# Altium PCB PCB_3U_DDS.PcbDoc (part 10 of 12)
Units mil, origin at the board's own origin, x right, y up, seen from the top; angles counter-clockwise.
Board outline 6338.37 x 3937 mil, 6 copper layers (L1, P2, L3, L4, P5, L6), stack 64.885 mil thick; 954 components, 537 nets, 3358 pads, 2342 vias.
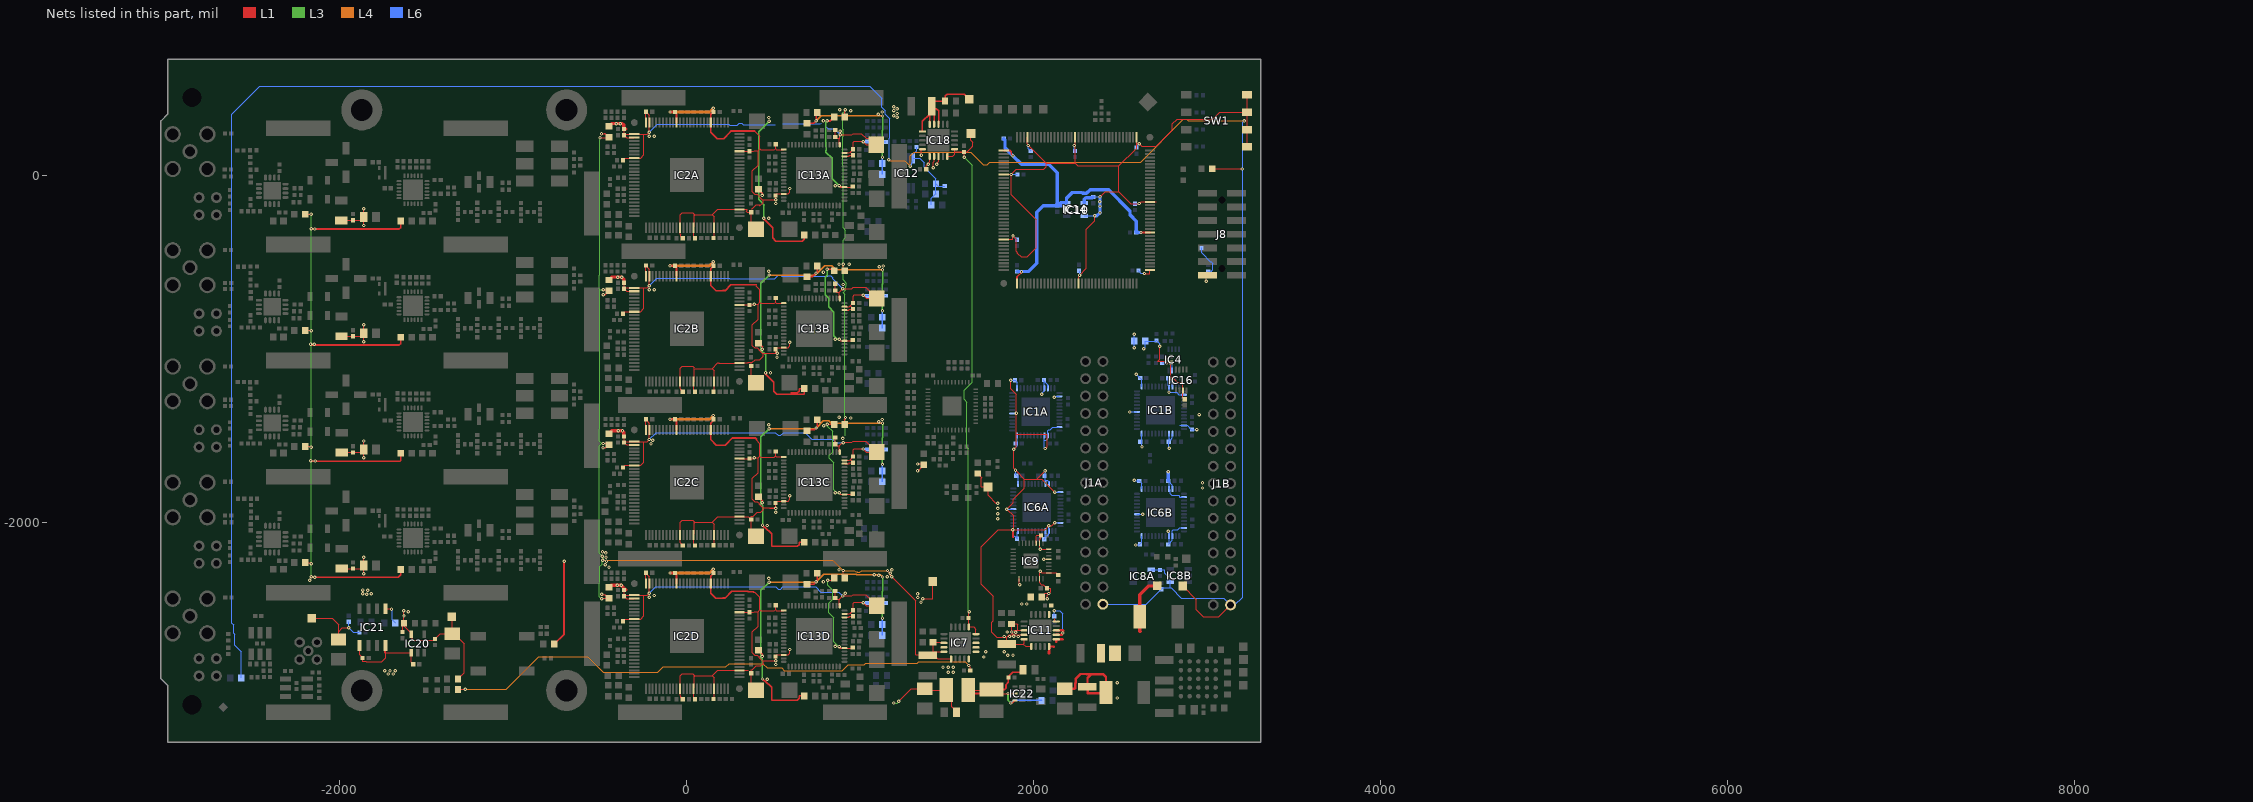
[diagram p14: the nets of this part, all layers, seen from the top]

## Via types
v1: diameter 19.68, hole 7.87, L1 to L6, tented both sides, 2254 vias
v2: diameter 23.62, hole 11.81, L1 to L6, tented both sides, 88 vias

## Nets (pads, with @x,y where several pads share a name; then routed paths per layer and width w, separated by ;. In a path a pad name is that pad's centre, name@x,y a point inside that pad or via, vN(x,y) a via of type N, cw(c..) or ccw(c..) an arc to the next point about the centre after c; other vN are vias at no path point) (continued)
P1V8A: C169.2 IC18.1 IC18.18 IC18.19 IC18.20 L16A.2 L16B.2 L16C.2 L16D.2 L17A.2 L17B.2 L17C.2 L17D.2 L19A.2 L19B.2 L19C.2 L19D.2 L20A.2 L20B.2 L20C.2 L20D.2 L21A.2 L21B.2 L21C.2 L21D.2 L22A.2 L22B.2 L22C.2 L22D.2 R129.2 TP10.1 | length 8942.9
  L1 w8: L17D.2@411.86,-2738.98 413.36,-2740.48 437.87,-2764.99 ; L17C.2@413.86,-1854.15 438.13,-1878.42 ; L17B.2@413.86,-968.32 438.13,-992.59 ; L17A.2@413.86,-82.5 438.13,-106.76 ; 432.87,-1873.79 434.86,-1875.77 v1(434.86,-1888.65) ; v1(435.86,-2904.48) 445.58,-2914.2 449.8,-2914.2 488.86,-2953.27 488.86,-3026.48 637.59,-3026.48 647.57,-3016.5 647.57,-3002.09 ; v1(435.86,-2018.65) 445.58,-2028.38 449.8,-2028.38 488.86,-2067.44 488.86,-2140.65 637.59,-2140.65 647.57,-2130.67 647.57,-2118.09 649.42,-2116.24 L16C.2@676.18,-2116.24 ; v1(442.91,-248.14) 442.91,-254.05 445.58,-256.72 449.8,-256.72 495.86,-302.79 495.86,-362 513.87,-380.02 513.87,-379.79 664.87,-379.79 676.18,-368.48 L16A.2@676.18,-344.59 ; v1@449.8,-1142.55 501.97,-1194.72 501.97,-1244.98 518.77,-1261.79 676.18,-1261.79 L16B.2@676.18,-1230.42 647.57,-1230.42 647.57,-1244.85 636.63,-1255.79 599.87,-1255.79 ; v1@450.01,-1138.13 v1(453.63,-1138.13) ; 647.59,-3002.07 L16D.2@676.18,-3002.07 ; L21D.2@692.52,-2358.37 731.3,-2358.37 v1@745.52,-2344.15 ; L21C.2@692.52,-1472.54 696.95,-1468.11 735.73,-1468.11 v1@745.52,-1458.32 ; L21B.2@692.52,-586.72 723.87,-586.72 738.1,-572.49 744.4,-572.49 v1@745.52,-572.49 ; L21A.2@692.52,299.11 731.3,299.11 v1@745.52,313.33 ; v1@745.76,321.57 745.76,362.1 L22A.2@745.76,363.1 ; 752.76,-2336.91 L22D.2@752.76,-2295.38 ; 752.76,-1451.09 L22C.2@752.76,-1409.55 ; v1@752.76,-565.24 L22B.2@752.76,-523.72 ; IC18.1@1358.27,251.87 1358.27,309.53 C169.2@1399.61,350.87 ; IC18.20@1399.61,293.2 C169.2@1399.61,350.87 ; IC18.19@1425.2,293.2 C169.2@1425.2,383.76 ; IC18.18@1450.79,293.2 1450.79,371.94 1441.93,380.8 1441.93,383.76 C169.2@1425.2,383.76 ; 1597.38,467.47 1598.43,466.43 ; TP10.1@1627.95,436.91 1598.43,466.43 ; C169.2@1399.61,350.87 1411.42,362.68 C169.2@1411.42,397.54 ; C169.2@1411.42,397.54 1411.42,421.16 1417.32,427.06 R129.2@1488.19,427.06 1490.16,429.03 1490.16,456.59 1500,466.43 1598.43,466.43 ; C169.2@1411.42,397.54 C169.2@1425.2,383.76
  L3 w8: v1(435.86,-2904.48) 435.86,-2790.48 427.36,-2781.98 427.02,-2781.65 427.02,-2774.48 427.02,-2394.32 v1(473.86,-2347.48) ; v1(435.86,-2018.65) 437.22,-2017.29 437.22,-1906.02 427.36,-1896.15 427.02,-1895.82 427.02,-1888.65 427.02,-1508.49 v1(473.86,-1461.65) ; v1(442.91,-248.14) 442.91,-175.78 446.1,-172.58 413.39,-139.87 413.39,-139.51 415.69,-137.21 415.69,-120.79 413.39,-118.49 413.39,249.53 v1(473.86,310) ; v1(453.63,-1138.13) 453.63,-1036.6 427.36,-1010.33 427.02,-1009.99 427.02,-1002.83 427.02,-622.66 v1(473.86,-575.83) ; v1(1127.86,-2553.48) 1127.03,-2552.65 1127.03,-2399.27 1127.86,-2398.44 v1(1127.86,-2316.48) ; v1(1127.86,-1667.65) 1127.03,-1666.83 1127.03,-1513.44 1127.86,-1512.61 v1(1127.86,-1430.65) ; v1(1127.86,-781.83) 1127.03,-781 1127.03,-627.61 1127.86,-626.79 v1(1127.86,-544.83) ; v1(1127.86,104) 1127.03,104.83 1127.03,258.21 1127.86,259.04 v1(1127.86,341)
  L4 w8: v1(473.86,-2347.48) 740.86,-2347.48 v1(744.86,-2343.48) 788.18,-2300.16 976.8,-2300.16 979.44,-2302.8 1080.87,-2302.8 1105.87,-2302.8 1114.17,-2302.8 v1(1127.86,-2316.48) ; v1(473.86,-1461.65) 740.86,-1461.65 v1(744.86,-1457.65) 785.69,-1416.83 818.44,-1416.83 832.26,-1430.65 1105.87,-1430.65 v1(1127.86,-1430.65) ; v1(473.86,-575.83) 740.86,-575.83 744.4,-572.29 v1(744.4,-565.24) 751.45,-565.24 793.52,-523.17 835.77,-523.17 857.43,-544.83 v1(1127.86,-544.83) ; v1@740.86,310 v1(744.86,314) 774.56,343.7 1103.87,343.7 1125.16,343.7 v1(1127.86,341)
  L6 w8: L20D.2@1126.77,-2653.65 L19D.2@1126.77,-2590.65 1126.77,-2554.57 v1(1127.86,-2553.48) ; L20C.2@1126.77,-1767.82 L19C.2@1126.77,-1704.83 1126.77,-1668.74 v1(1127.86,-1667.65) ; L20B.2@1126.77,-881.99 L19B.2@1126.77,-819 1126.77,-782.91 v1(1127.86,-781.83) ; L20A.2@1126.77,3.83 L19A.2@1126.77,66.83 1126.77,102.91 v1(1127.86,104)
  other v1: 462.6,-2905.61 434.86,-2774.48 472.44,-2324.91 1105.87,-2305.79 1080.87,-2303.79 462.6,-2019.79 472.44,-1439.08 1105.87,-1421.79 1126.87,-1408.79 482.28,-1138.13 434.86,-1002.83 472.44,-553.25 1109.87,-527.79 1131.89,-523.72 472.44,-248.13 434.86,-117 472.44,332.57 1211.76,332.99 1192.07,342.83 1103.87,351.21 1211.87,355.21 1125.87,364.21 1192.07,372.36 1211.76,382.2 1192.4,394.76
P1V8D: C198.2 C199.2 C200.2 C201.2 IC10.1 IC10.37 IC10.84 IC14.5 | length 2095
  L1 w10: IC10.1@1826.77,141.63 1864.17,141.63 1870.08,135.72 1870.08,121.94 v1(1879.92,112.1) ; IC10.37@1903.54,-624.12 1903.54,-586.72 1929.13,-561.13 v1(1929.13,-557.19) ; v1(2618.11,-330.81) IC10.84@2669.29,-330.81
  L6 w19.68: C201.2@1826.77,210.53 1826.77,208.09 1834.17,200.68 1834.17,157.85 v1(1879.92,112.1) 1929.13,62.89 2086.61,62.89 2135.83,13.68 C198.2@2135.83,-175.3 ; C199.2@1903.54,-555.22 1929.13,-555.22 1970.47,-555.22 2017.72,-507.98 2017.72,-212.7 2055.12,-175.3 C198.2@2135.83,-175.3 ; v1(2618.11,-330.81) C200.2@2590.55,-330.81 2590.55,-264.83 2554.65,-228.92 2554.65,-208.29 2431.1,-84.75 2324.26,-84.75 2303.74,-105.27 2283.29,-105.27 2277.92,-99.9 2221.58,-99.9 2188.58,-132.89 IC14.5@2188.58,-159.45 2153.83,-159.45 2169.68,-175.3 C198.2@2135.83,-175.3
P2V0: C76.1 C163.2 C167.1 IC18.5 IC18.6 IC18.7 IC18.8 L3.2 TP11.1 | length 577.3
  L1 w5.98: v1(1352.36,115.06) 1352.36,143.6 IC18.5@1358.27,149.5 ; C167.1@1379.92,33.36 1379.92,53.44 1389.37,62.89 v1(1391.73,62.89) 1391.73,70.76 1399.61,78.64 IC18.6@1399.61,108.17 ; v1(1421.26,43.2) 1421.26,75.55 1425.2,79.49 IC18.7@1425.2,108.17 ; v1(1440.94,62.89) 1440.94,69.64 1450.79,79.49 IC18.8@1450.79,108.17
  L1 w19: 2612.87,-2630.79 2611.22,-2629.13 L3.2@2611.22,-2545.38 2611.22,-2418.41 2661.42,-2368.21 2711.51,-2368.21 TP11.1@2717.51,-2368.21
P3V3: C2A.2 C2B.2 C3A.2 C3B.2 C4A.2 C4B.2 C5A.2 C5B.2 C6A.2 C6B.2 C7A.2 C7B.2 C8A.2 C8B.2 C9A.2 C9B.2 C104.2 C166.2 C184.2 C185.2 C186.2 C187.2 C188.2 C192.2 C193.2 C197.2 IC1A.2 IC1A.11 IC1A.15 IC1A.16 IC1A.24 IC1A.30 IC1A.37 IC1A.45 IC1A.46 IC1B.2 IC1B.11 IC1B.15 IC1B.16 IC1B.24 IC1B.30 IC1B.37 IC1B.45 IC1B.46 IC6A.2 IC6A.11 IC6A.15 IC6A.16 IC6A.24 IC6A.30 IC6A.37 IC6A.45 IC6A.46 IC6B.2 IC6B.11 IC6B.15 IC6B.16 IC6B.24 IC6B.30 IC6B.37 IC6B.45 IC6B.46 IC10.8 IC10.27 IC10.55 IC10.73 IC10.93 IC10.109 IC10.127 IC10.141 IC11.1 IC11.18 IC11.19 IC11.20 IC14.1 IC14.3 J8.2 L8.2 L13.2 R66.2 R67.2 R115.2 R118.2 SW1.1 SW1.2 SW1.3 SW1.4 TP12.1 | length 10988.1
  L1 w5.98: R115.2@1677.17,-1720.57 1700.45,-1743.86 1700.45,-1744.53 1696.85,-1748.13 1696.85,-1797.35 TP12.1@1736.22,-1797.35 1736.22,-1846.56 1781.5,-1891.83 v1(1791.34,-1891.83) ; IC10.27@1826.77,-370.18 1879.92,-370.18 v1(1879.92,-350.5) 1899.61,-370.18 1899.61,-439.08 1905.98,-445.46 1905.98,-450.71 1926.85,-471.57 1962.13,-471.57 2014.31,-419.39 2014.31,-258.5 1870.08,-114.28 v1(1870.08,3.83) ; IC10.8@1826.77,3.83 v1(1870.08,3.83) ; v1(1868.11,-1182.19) 1868.11,-1230.42 1900.04,-1262.35 v1(1900.04,-1373.13) 1900.04,-1492.23 ; 1883.86,-2624.12 1896.87,-2624.12 1906.87,-2624.12 ; IC11.20@1944.36,-2675.61 1944.36,-2697.42 1938.93,-2702.86 ; IC11.19@1944.36,-2650.02 1909.45,-2650.02 v1@1884.84,-2650.02 ; IC11.18@1944.36,-2624.43 1944.05,-2624.12 1906.87,-2624.12 ; IC10.141@1962.6,218.4 1962.6,181 1968.5,175.09 v1(1968.5,171.16) 2070.87,68.8 ; IC11.1@1985.7,-2716.95 1953.02,-2716.95 1938.93,-2702.86 ; v1(2064.96,-1703.84) 2016.73,-1752.07 ; v1(2065.94,-1575.89) 2076.77,-1565.06 2076.77,-1492.23 1900.04,-1492.23 ; v1(2120.08,-2004.04) 2102.07,-2022.05 v1(2086.61,-2022.05) 2065.25,-2043.41 v1@1883.86,-2043.41 ; v1(2120.08,-1826.87) 2045.28,-1752.07 2016.73,-1752.07 ; IC10.127@2238.19,218.4 2238.19,171.16 2238.19,68.8 ; IC10.55@2257.87,-624.12 2257.87,-586.72 2263.78,-580.81 v1(2263.78,-576.87) 2303.15,-537.5 2303.15,-311.13 2352.36,-261.91 v1(2352.36,-234.25) ; v1(2381.89,-124.12) 2411.42,-94.59 2490.16,-94.59 ; IC10.109@2592.52,218.4 2592.52,181 ; v1(2637.8,-567.03) 2667.32,-567.03 2669.29,-565.06 IC10.73@2669.29,-547.35 ; 2704.72,-155.14 2705.2,-155.14 2706.69,-153.65 IC10.93@2669.29,-153.65 2618.11,-153.65 v1(2608.27,-163.49) 2559.06,-163.49 2490.16,-94.59 ; v1(2993.25,-611.89) 2993.25,-584.61 J8.2@3000.98,-576.87 ; SW1.1@3229.53,162.69 SW1.2@3229.53,262.69 3229.53,304.21 3230.35,305.03 3230.35,361.87 SW1.3@3229.53,362.69 ; SW1.4@3229.53,462.69 SW1.3@3229.53,362.69 ; 1844.49,-2663.49 1854.33,-2653.65 1857.95,-2650.02 1860.24,-2650.02 1883.87,-2650.02 v1@1884.84,-2650.02 ; 1844.49,-2663.49 1830.71,-2663.49 1785.43,-2663.49 1756.77,-2634.83 1756.77,-2576.95 1765.75,-2567.98 1765.75,-2427.27 1696.85,-2358.37 1696.85,-2141.83 1794.1,-2044.58 v1(1879.51,-2044.58) 1879.51,-2086.31 1881.89,-2088.69 1883.86,-2086.72 1883.86,-2044.58 v1@1883.86,-2043.41 ; 1844.49,-2663.49 C166.2@1844.49,-2702.86 1938.93,-2702.86 ; v1(1870.08,3.83) 1899.61,33.36 2057.09,33.36 2070.87,47.14 2070.87,68.8 ; v1@1883.86,-2043.41 1883.86,-1964.67 v1(1844.49,-1925.3) 1881.89,-1887.9 1881.89,-1868.21 1945.87,-1804.24 1945.87,-1752.07 ; v1@1884.84,-2650.02 1872.05,-2637.23 1872.05,-2633.79 R118.2@1872.05,-2586.72 1900.5,-2586.72 1906.87,-2593.09 1906.87,-2624.12 ; 1900.04,-1492.23 1900.04,-1564.63 v1(1884.84,-1579.83) 1884.84,-1691.05 v1(1894.69,-1700.89) 1945.87,-1752.07 ; 1945.87,-1752.07 2016.73,-1752.07 ; 2070.87,68.8 2238.19,68.8 ; 2238.19,68.8 2253.94,53.05 2490.16,53.05 ; 2490.16,-94.59 2490.16,53.05 ; 2490.16,53.05 2592.52,155.41 2592.52,181 ; 2592.52,181 v1(2608.27,181) 2623.6,165.67 2705.01,165.67 2798.65,259.31 2798.65,295.87 2825.93,323.15 3032.62,323.15 3072.17,362.69 SW1.3@3229.53,362.69
  L6 w5: 2066.93,-2078.84 2078.74,-2078.84 2086.61,-2070.97 IC6A.15@2086.61,-2051.28 v1(2086.61,-2022.05) ; v1(2554.13,-1365.26) 2555.12,-1364.28 IC1B.30@2594.49,-1364.28 ; v1(2589.57,-1146.76) 2612.7,-1169.89 2622.05,-1179.24 IC1B.37@2622.05,-1218.61 ; C4A.2@2775.59,-1171.36 2775.59,-1191.44 ; IC1B.46@2799.21,-1218.61 2799.21,-1198.92 2791.73,-1191.44 2775.59,-1191.44 ; IC1B.2@2866.14,-1265.85 2836.61,-1265.85 2822.83,-1252.07 v1(2779.53,-1252.07) IC1B.45@2779.53,-1218.61 2775.59,-1214.67 2775.59,-1191.44
  L6 w5.98: v1(1844.49,-1925.3) IC6A.30@1881.89,-1925.3 ; v1(1868.11,-1182.19) C4B.2@1891.73,-1182.19 1903.54,-1194 IC1A.37@1903.54,-1228.45 ; v1(1870.08,3.83) C193.2@1905.51,3.83 ; v1(1879.51,-2044.58) 1879.51,-2072.53 C2B.2@1903.54,-2096.56 1903.54,-2057.19 IC6A.24@1909.45,-2051.28 ; v1(1879.92,-350.5) 1889.76,-360.34 1891.73,-360.34 C187.2@1903.54,-372.15 ; v1(1884.84,-1579.83) 1903.54,-1561.13 1903.54,-1546.36 IC1A.24@1903.54,-1500.1 ; v1(1894.69,-1700.89) 1894.69,-1728.45 C3B.2@1898.62,-1732.39 ; C3B.2@1908.46,-1732.39 1909.45,-1733.37 IC6A.37@1909.45,-1779.63 ; v1(1968.5,171.16) 1968.5,151.47 1970.47,151.47 C192.2@1982.28,139.66 ; v1(2046.46,-1261.99) 2047.5,-1260.95 2047.5,-1255.14 2061.02,-1241.62 IC1A.45@2061.02,-1228.45 C3A.2@2061.02,-1188.09 ; C3A.2@2058.07,-1180.22 2058.07,-1185.14 C3A.2@2061.02,-1188.09 ; C7A.2@2060.04,-2098.53 2066.93,-2091.64 2066.93,-2078.84 IC6A.16@2066.93,-2051.28 ; IC1A.16@2061.02,-1500.1 2061.02,-1527.66 ; v1(2064.96,-1703.84) 2066.93,-1705.81 2066.93,-1732.39 2066.93,-1758.96 ; v1(2065.94,-1575.89) 2061.02,-1570.97 2061.02,-1527.66 ; IC6A.45@2066.93,-1779.63 2066.93,-1758.96 ; IC1A.46@2080.71,-1228.45 2080.71,-1207.78 C3A.2@2061.02,-1188.09 ; IC6A.46@2086.61,-1779.63 2086.61,-1768.8 2076.77,-1758.96 2066.93,-1758.96 ; v1(2117.26,-1281.18) 2116.07,-1281.18 2116.67,-1280.59 2121.56,-1275.69 IC1A.2@2147.64,-1275.69 ; v1(2120.08,-2004.04) IC6A.11@2153.54,-2004.04 ; v1(2120.08,-1826.87) IC6A.2@2153.54,-1826.87 ; IC1A.11@2147.64,-1452.86 2108.27,-1452.86 2093.5,-1467.62 2086.61,-1467.62 2080.71,-1473.53 IC1A.15@2080.71,-1500.1 2080.71,-1518.8 2071.85,-1527.66 2061.02,-1527.66 ; v1(2234.25,171.16) 2234.25,143.6 C188.2@2238.19,139.66 ; C104.2@2260.87,-551.5 2263.78,-554.41 v1(2263.78,-576.87) ; IC14.3@2290.94,-234.25 v1(2352.36,-234.25) ; C197.2@2342.52,-126.09 2344.49,-124.12 v1(2381.89,-124.12) ; v1(2578.74,-1757.98) 2583.66,-1762.9 C6A.2@2608.27,-1762.9 2622.05,-1776.68 IC6B.37@2622.05,-1809.16 ; v1(2579.87,-995.75) 2578.22,-994.1 L8.2@2578.22,-956.44 2578.22,-918.66 v1(2579.87,-917.01) ; C186.2@2582.68,-165.46 2606.3,-165.46 v1(2608.27,-163.49) ; v1(2588.58,-2131.99) 2607.28,-2131.99 C7B.2@2612.2,-2127.07 2622.05,-2117.23 IC6B.24@2622.05,-2080.81 ; C184.2@2592.52,159.35 2592.52,165.25 v1(2608.27,181) ; IC6B.30@2594.49,-1954.83 v1(2627.95,-1954.83) ; C185.2@2600.39,-547.35 2603.47,-550.43 2617.72,-564.67 2637.8,-564.67 v1(2637.8,-567.03) ; IC1B.24@2622.05,-1490.26 2622.05,-1537.5 2622.05,-1563.39 v1(2623.62,-1564.96) ; C8B.2@2774.61,-2129.04 C8B.2@2779.53,-2124.12 ; C6B.2@2774.61,-1762.9 2799.21,-1787.5 IC6B.46@2799.21,-1809.16 ; v1@2774.61,-1709.75 v1(2775.59,-1708.76) ; v1(2775.59,-2053.25) 2775.59,-2051.29 2779.53,-2047.35 2779.53,-2053.25 IC6B.16@2779.53,-2080.81 C8B.2@2779.53,-2124.12 ; IC1B.16@2779.53,-1490.26 2779.53,-1519.39 ; v1(2781.1,-1574.8) 2777.56,-1571.26 C2A.2@2777.56,-1537.5 2779.53,-1535.54 2779.53,-1519.39 ; IC1B.15@2799.21,-1490.26 2799.21,-1514.18 2791.81,-1521.58 2791.81,-1524.72 2784.86,-1524.72 2779.53,-1519.39 ; 2840.06,-1443.02 IC1B.11@2866.14,-1443.02 2885.54,-1443.02 2909.06,-1466.54 2912.4,-1466.54 v1(2938.58,-1466.54) ; IC6B.11@2866.14,-2033.57 2840.06,-2033.57 2830.22,-2043.41 2805.12,-2043.41 2799.21,-2049.32 IC6B.15@2799.21,-2080.81 2799.21,-2104.43 C8B.2@2779.53,-2124.12 ; R67.2@2967.72,-419.39 2967.72,-448.56 3017.76,-498.61 3021.83,-498.61 3032.62,-509.4 3032.62,-544.23 3025.98,-550.87 3025.98,-556.01 R66.2@3005.91,-556.01 2988.92,-572.99 2993.25,-577.33 v1(2993.25,-611.89)
  L6 w6: C6B.2@2779.53,-1771.76 IC6B.45@2779.53,-1809.16 2785.43,-1815.06 2785.43,-1836.72 2795.28,-1846.56 2834.65,-1846.56 2840.06,-1851.98 2840.06,-1856.4 IC6B.2@2866.14,-1856.4
  L6 w19: C6B.2@2774.61,-1762.9 v1@2774.61,-1709.75
  L6 w19.68: IC14.1@2290.94,-159.45 2290.94,-139.76 2300.76,-129.95 2338.65,-129.95 C197.2@2342.52,-126.09 ; v1(2352.36,-234.25) 2364.07,-234.25 v1(2381.89,-216.43) v1(2381.89,-179.79) 2381.89,-152.79 v1(2381.89,-124.12)
  other v1: 1830.71,-2659.55 1860.24,-2659.55 1909.45,-2659.55 1883.87,-2657.79 1896.87,-2634.79 1845.87,-2633.79 1872.87,-2633.79 1930.26,-2472.13 1959.79,-2472.13 1791.34,-1980.42 1791.34,-1950.89 1791.34,-1921.36 2972.44,-1803.25 2972.44,-1773.72 2952.76,-1380.02 2380.87,-152.79
P3V3_CLK1: C86.2 C89.2 C90.2 IC9.1 IC9.7 IC9.9 IC9.13 IC9.16 IC9.18 IC9.19 L13.1 | length 652.6
  L1 w5.98: IC9.1@1914.96,-2326.77 1914.96,-2357.87 v1(1919.29,-2362.2) ; IC9.19@2013.39,-2122.05 2013.39,-2081.1 2017.91,-2076.58 C86.2@2040.8,-2076.58 2040.8,-2096.66 2034.51,-2096.66 2033.07,-2098.1 IC9.18@2033.07,-2122.05 2033.07,-2145.99 2037.4,-2150.32 v1(2037.4,-2155.51) IC9.16@2086.22,-2155.51 ; L13.1@2044.88,-2431.1 2047.24,-2431.1 2066.93,-2411.42 v1(2086.61,-2411.42) ; v1(2057.09,-2214.57) IC9.13@2086.22,-2214.57 ; v1(2076.77,-2440.94) 2076.77,-2421.26 v1(2086.61,-2411.42) ; 2106.3,-2293.31 2110.17,-2293.31 ; C90.2@2141.34,-2305.12 2129.53,-2293.31 2110.17,-2293.31 ; v1(2086.61,-2411.42) 2096.46,-2401.57 2096.46,-2381.6 2095.87,-2381.01 C89.2@2075.79,-2381.01 2075.79,-2380.73 2055.87,-2360.81 2043.16,-2360.81 2033.07,-2350.72 IC9.7@2033.07,-2326.77 2033.07,-2287.8 v1(2037.4,-2283.46) 2047.24,-2293.31 IC9.9@2086.22,-2293.31 2110.17,-2293.31
P3V3_CLK2: C13.2 C45.2 C46.2 IC4.7 IC16.7 L8.1 R36.2 | length 686.9
  L1 w5.98: v1(2726.38,-987.31) 2726.38,-1060.63 2714.17,-1072.83 2756.3,-1072.83 v1(2766.24,-1082.78) 2788.87,-1082.78 C45.2@2790.94,-1080.71
  L1 w6: C45.2@2788.87,-1082.78 2788.87,-1162.99 2798.23,-1172.35 2807.09,-1172.35 2827.76,-1193.02 2850.59,-1193.02 2859.84,-1202.27 IC16.7@2859.84,-1242.13 2859.84,-1281.5 C46.2@2869.69,-1291.34
  L6 w5.98: R36.2@2706.69,-952.66 2726.38,-972.35 v1(2726.38,-987.31) ; C13.2@2740.16,-1082.78 v1(2766.24,-1082.78) 2792.32,-1082.78 2797.24,-1087.7 IC4.7@2797.24,-1126.09
  L6 w6: v1(2633.34,-999.75) 2641.21,-991.87 L8.1@2641.21,-956.44 2702.91,-956.44 R36.2@2706.69,-952.66
P3V3_DAC_VDDA: C124A.2 C125A.2 C126A.2 C129A.2 C130A.2 C157A.2 C158A.2 C159A.2 C162A.1 IC2A.74 IC2A.75 IC2A.76 IC2A.77 IC2A.83 IC13A.46 IC13A.47 IC13A.49 L15A.1 R96A.2 R97A.2 R98A.2 R99A.2 | length 2825.1
  L1 w5: L15A.1@-448.82,281.39 -433,297.21 -432.09,298.13 -407.48,298.13 -383.86,298.13 -375,298.13 -374.09,297.21 -364.13,287.25 -362.7,285.83 -362.2,285.83 -362.2,266.21 C158A.2@-362.2,265.75 C157A.2@-362.2,230.31 ; C124A.2@-367.32,86.51 -355.41,98.43 IC2A.83@-303.15,98.43 -265.75,98.43 -247.05,117.13 -247.05,233.27 -244.09,236.22 ; IC2A.77@-303.15,216.54 -346.56,216.54 -360.34,230.31 C157A.2@-362.2,230.31 ; IC2A.75@-236.22,303.15 -236.22,364.17 C159A.2@-235.24,365.16 -235.07,365.16 -216.54,346.62 IC2A.74@-216.54,303.15 v1(-216.54,247.93) -228.24,236.22 -244.09,236.22 ; C126A.2@855.91,259.84 C129A.2@855.91,220.37 864.76,211.51 877.95,211.51 ; v1@880.2,227.39 880.2,213.76 877.95,211.51 ; IC13A.49@881.5,175.2 879.92,176.77 879.92,209.54 877.95,211.51 ; v1@884.48,231.67 950.45,231.67 957.85,239.07 1005.86,239.07 1033.51,211.42 1058.95,211.42 1093.85,176.52 1095.28,175.09 1092.52,175.09 1034.76,175.09 1016.26,193.6 1014.86,195 964.27,195 958.27,189 C125A.2@958.27,149.5 940.55,131.79 ; IC13A.46@909.06,108.27 934.15,108.27 935.04,109.16 935.04,114.07 C130A.2@958.27,114.07 940.55,131.79 ; IC13A.47@909.06,127.95 936.6,127.95 940.5,131.84 940.55,131.79 ; C157A.2@-362.2,230.31 -356.3,236.22 IC2A.76@-303.15,236.22 -244.09,236.22
  L1 w19: L15A.1@-433,297.21 v1(-407.48,297.21) -383.86,297.21 -374.09,297.21 -371.13,297.21 -364.13,290.21 -364.13,287.25 -364.13,266.21 -362.2,266.21 C158A.2@-351.13,266.21
  L6 w5: v1(-216.54,247.93) -171.7,292.76 241.26,292.76 246.35,287.67 289.44,287.67 301.27,299.5 316.45,299.5 324.28,291.67 509.61,291.67 ; 554.1,295.67 769.79,295.67 773.9,299.78 ; 800.24,288.63 800.24,280.04 810.97,269.31 812.94,269.31 814.26,267.99 848.17,267.99 v1(883.4,232.76) ; v1(1015.86,193.2) R97A.2@1040.35,193.2 1075.87,193.2 1110.87,193.2 R98A.2@1146.65,193.2
  other v1: -216.54,224.31 -187.01,224.31 883.2,253.83 -383.86,296.16
P3V3_DAC_VDDB: C124B.2 C125B.2 C126B.2 C129B.2 C130B.2 C157B.2 C158B.2 C159B.2 C162B.1 IC2B.74 IC2B.75 IC2B.76 IC2B.77 IC2B.83 IC13B.46 IC13B.47 IC13B.49 L15B.1 R96B.2 R97B.2 R98B.2 R99B.2 | length 2817.3
  L1 w5: C124B.2@-367.32,-799.32 -355.41,-787.4 IC2B.83@-303.15,-787.4 -265.75,-787.4 -247.05,-768.7 -247.05,-652.56 -244.09,-649.61 ; C158B.2@-362.7,-622.54 -362.7,-620.08 C158B.2@-362.7,-610.1 ; C158B.2@-362.2,-620.08 C157B.2@-362.2,-655.51 ; IC2B.77@-303.15,-669.29 -346.56,-669.29 -360.34,-655.51 C157B.2@-362.2,-655.51 ; IC2B.75@-236.22,-582.68 -236.22,-521.65 C159B.2@-235.24,-520.67 -235.24,-524.71 -216.54,-543.41 IC2B.74@-216.54,-582.68 v1(-216.54,-637.9) -228.24,-649.61 -244.09,-649.61 ; C126B.2@855.91,-625.98 C129B.2@855.91,-665.46 864.76,-674.32 877.95,-674.32 ; IC13B.49@881.5,-710.63 879.92,-709.06 879.92,-676.28 877.95,-674.32 ; IC13B.46@909.06,-777.56 934.15,-777.56 935.04,-776.67 935.04,-771.76 C130B.2@958.27,-771.76 940.55,-754.04 ; IC13B.47@909.06,-757.87 936.6,-757.87 940.5,-753.98 940.55,-754.04 ; C157B.2@-362.2,-655.51 -356.3,-649.61 IC2B.76@-303.15,-649.61 -244.09,-649.61 ; 877.95,-674.32 v1(898.11,-654.15) 950.45,-654.15 957.85,-646.76 1031.3,-646.76 C162B.1@1095.28,-710.73 1034.76,-710.73 1016.26,-692.22 1014.86,-690.83 964.27,-690.83 958.27,-696.83 C125B.2@958.27,-736.32 940.55,-754.04
  L1 w19: L15B.1@-448.82,-604.43 -432.09,-587.7 v1(-397.64,-587.7) v1(-375,-587.7) -362.7,-600 -362.2,-600 C158B.2@-362.2,-620.08
  L6 w5: v1(-216.54,-637.9) -173.88,-595.24 243.43,-595.24 246.35,-598.15 505.61,-598.15 526.27,-577.5 541.45,-577.5 547.52,-583.57 811.88,-583.57 814.26,-581.19 829.44,-581.19 840.18,-591.92 840.18,-596.22 v1(898.11,-654.15) ; v1(1015.86,-692.62) 1039.87,-692.62 1075.87,-692.62 1111.87,-692.62 R98B.2@1146.65,-692.62
  other v1: -216.54,-661.52 -187.01,-661.52 900.71,-630.13
P3V3_DAC_VDDC: C124C.2 C125C.2 C126C.2 C129C.2 C130C.2 C157C.2 C158C.2 C159C.2 C162C.1 IC2C.74 IC2C.75 IC2C.76 IC2C.77 IC2C.83 IC13C.46 IC13C.47 IC13C.49 L15C.1 R96C.2 R97C.2 R98C.2 R99C.2 | length 2789.7
  L1 w5: C124C.2@-367.32,-1685.14 -355.41,-1673.23 IC2C.83@-303.15,-1673.23 -265.75,-1673.23 -247.05,-1654.53 -247.05,-1538.39 -244.09,-1535.43 ; C158C.2@-362.2,-1505.91 C157C.2@-362.2,-1541.34 ; IC2C.77@-303.15,-1555.12 -346.56,-1555.12 -360.34,-1541.34 C157C.2@-362.2,-1541.34 ; IC2C.75@-236.22,-1468.5 -236.22,-1407.48 C159C.2@-235.24,-1406.5 -235.24,-1410.54 -216.54,-1429.24 IC2C.74@-216.54,-1468.5 v1(-216.54,-1523.72) -228.24,-1535.43 -244.09,-1535.43 ; C126C.2@855.91,-1511.81 C129C.2@855.91,-1551.28 864.76,-1560.14 877.95,-1560.14 ; IC13C.49@881.5,-1596.46 879.92,-1594.88 879.92,-1562.11 877.95,-1560.14 ; v1@898.11,-1539.98 877.95,-1560.14 ; v1@900.71,-1539.98 950.45,-1539.98 957.85,-1532.58 1031.3,-1532.58 C162C.1@1095.28,-1596.56 1034.76,-1596.56 1016.26,-1578.05 1014.86,-1576.65 964.27,-1576.65 958.27,-1582.65 C125C.2@958.27,-1622.15 940.55,-1639.87 ; IC13C.46@909.06,-1663.39 934.15,-1663.39 935.04,-1662.49 935.04,-1657.58 C130C.2@958.27,-1657.58 940.55,-1639.87 ; IC13C.47@909.06,-1643.7 936.6,-1643.7 940.5,-1639.81 940.55,-1639.87 ; C157C.2@-362.2,-1541.34 -356.3,-1535.43 IC2C.76@-303.15,-1535.43 -244.09,-1535.43
  L1 w19: L15C.1@-448.82,-1490.26 -432.35,-1473.79 -394.69,-1473.79 v1(-371.13,-1473.79) -363.13,-1481.79 C158C.2@-363.13,-1499.79
  L6 w5: v1(-216.54,-1523.72) -177.05,-1484.24 510.53,-1484.24 526.27,-1499.98 541.45,-1499.98 557.19,-1484.24 681.4,-1484.24 719.46,-1522.3 840.44,-1522.3 860.38,-1542.24 v1(900.71,-1542.24) ; v1(1015.86,-1578.45) 1039.87,-1578.45 1075.87,-1578.45 1111.87,-1578.45 R98C.2@1146.65,-1578.45